# Altium PCB BEAGLEPLAYV020_220915.brd.PcbDoc (part 9 of 12) (continued)
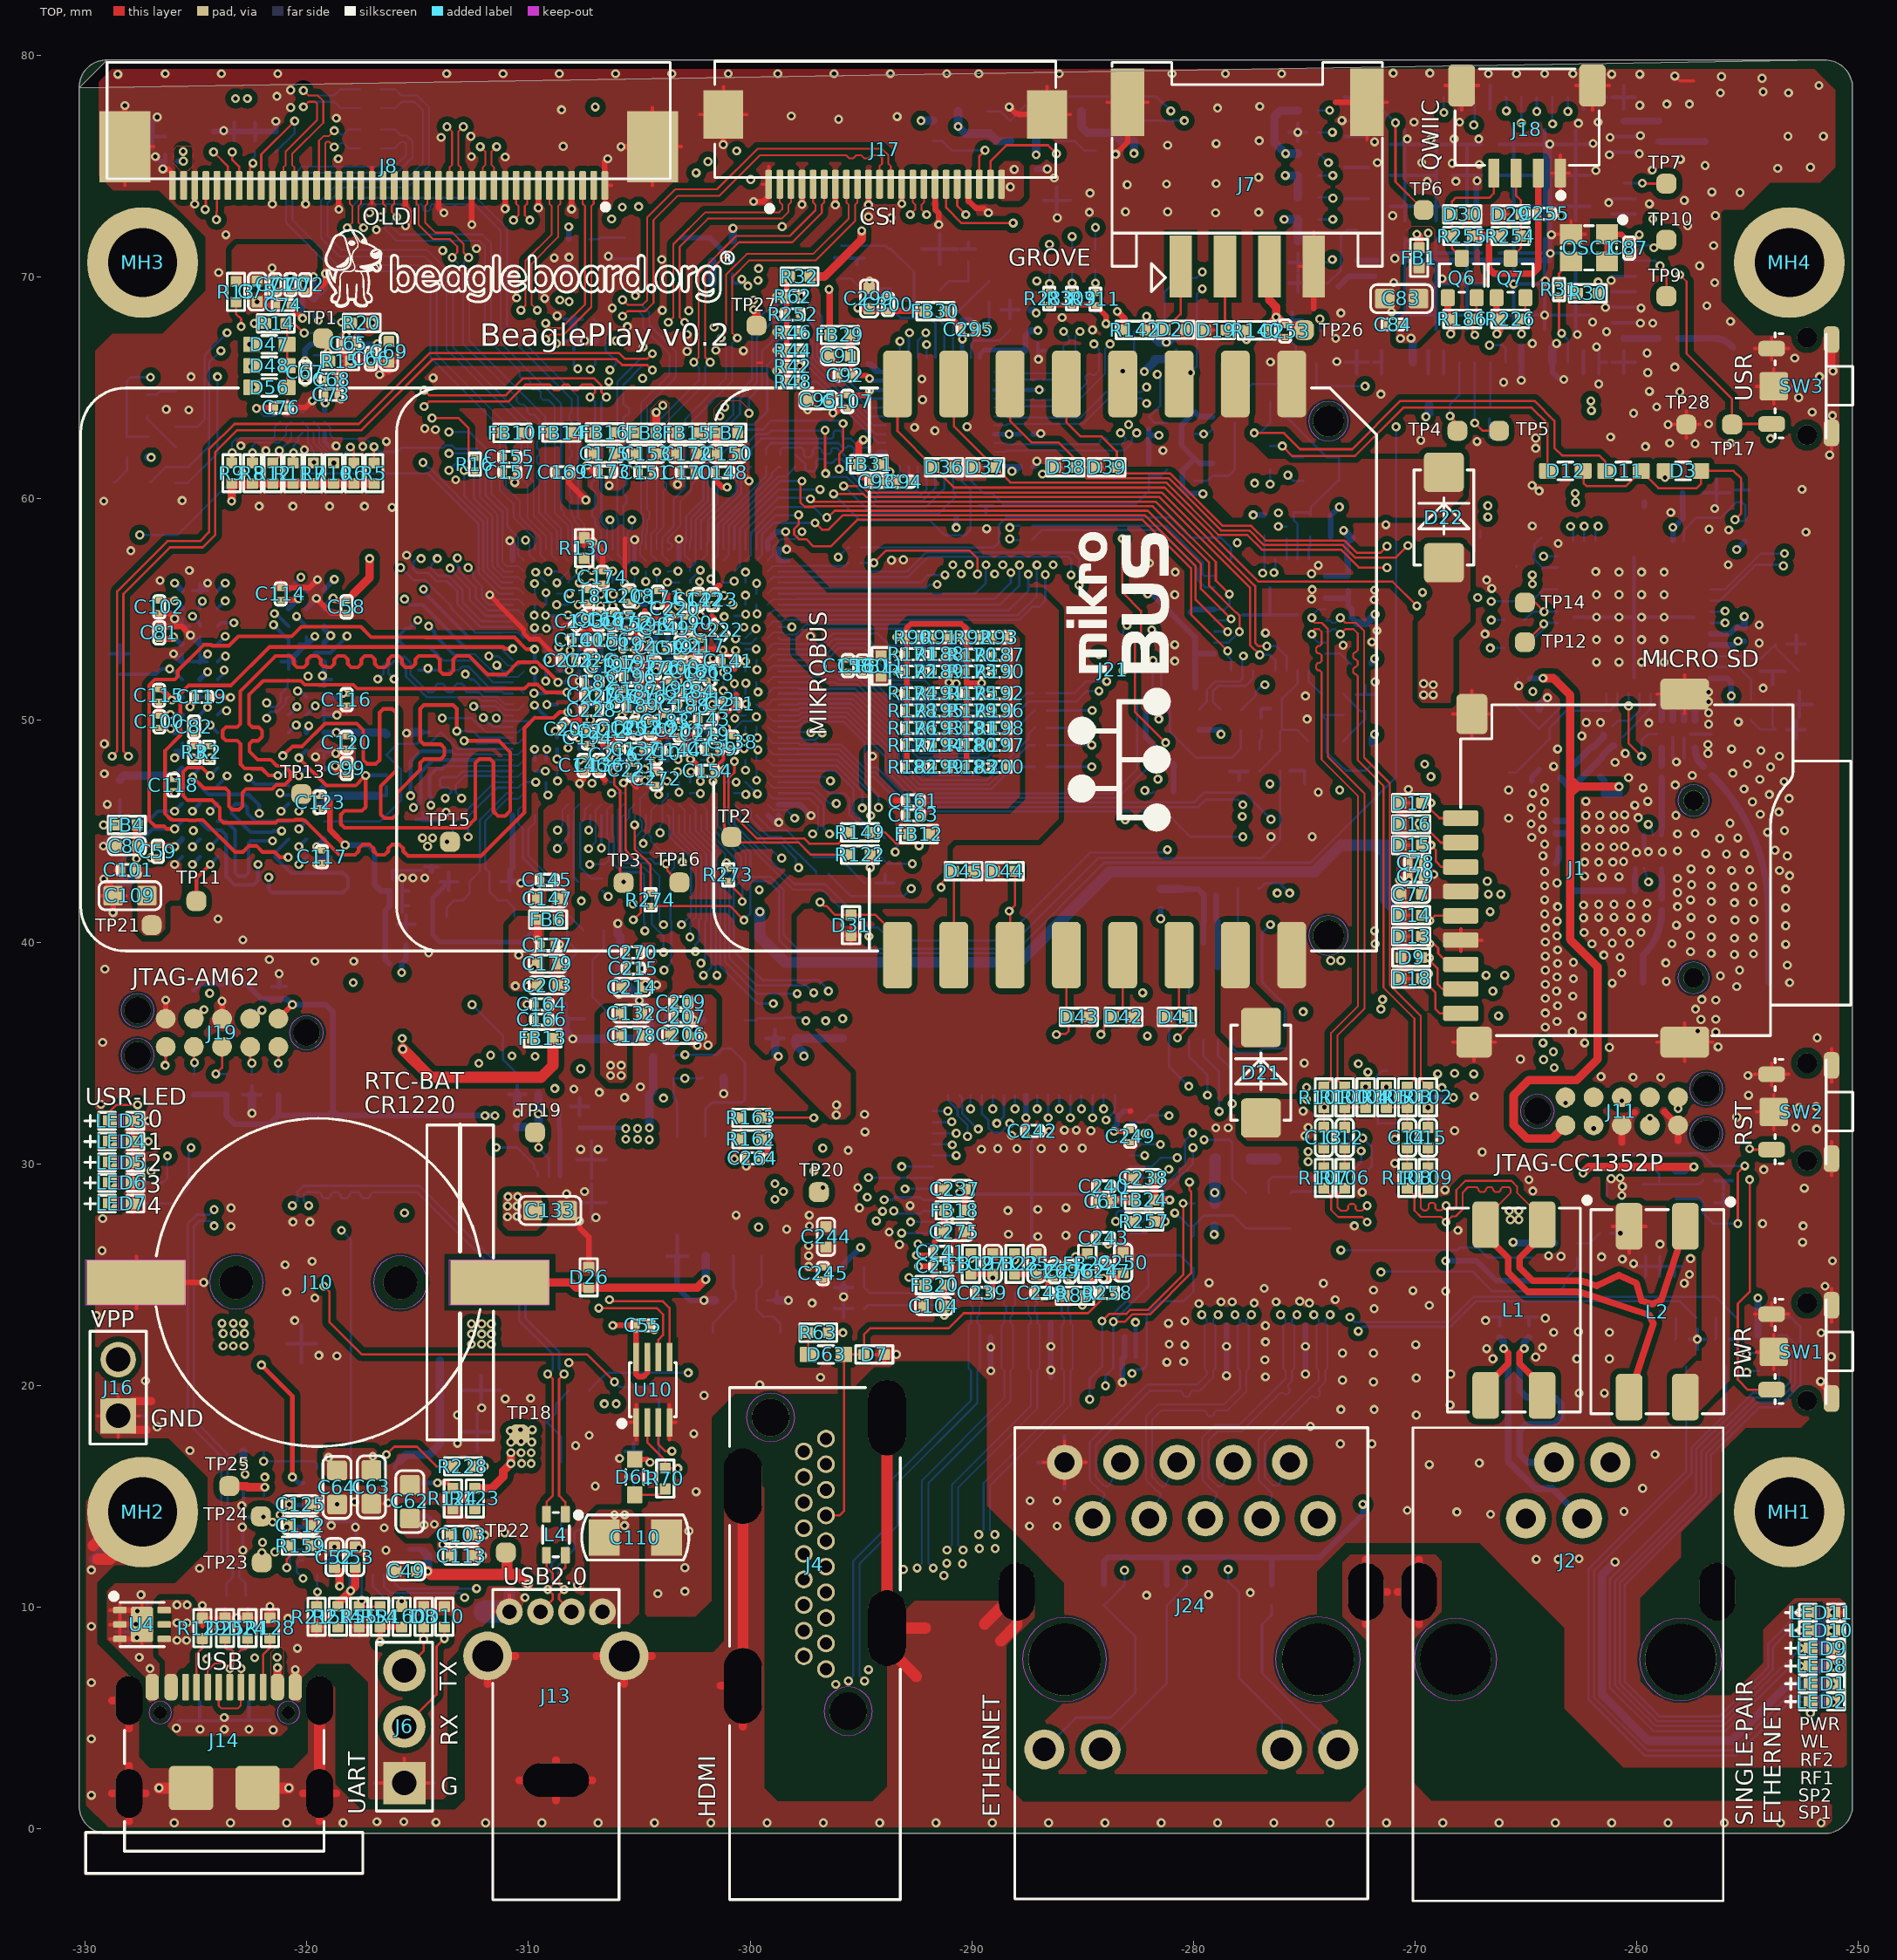
[diagram p0: TOP view]
## Nets (pads, with @x,y where several pads share a name; then routed paths per layer and width w, separated by ;. In a path a pad name is that pad's centre, name@x,y a point inside that pad or via, vN(x,y) a via of type N, cw(c..) or ccw(c..) an arc to the next point about the centre after c; other vN are vias at no path point) (continued)
  LYR3 w0.097: v1(-300.211,47.758) -299.65,47.758 -299.339,47.447 -299.339,43.434 -299.034,43.129 -299.034,37.871 -298.374,37.211 -298.374,30.582 -299.618,29.337 v10(-299.618,27.153) ; v10(-275.993,62.379) -275.331,61.717 -275.331,53.546 -274.066,52.28 -274.066,49.022 -276.047,47.041 -276.047,43.002 -276.885,42.164 -276.885,40.561 -273.248,36.924 -273.248,32.134 -273,31.886 -273,31.141 v10(-272.44,30.582)
  LAY6 w0.097: v3(-322.528,65.963) -322.188,65.963 -322.079,65.854 -317.885,65.854 -317.775,65.964 -314.935,65.964 -311.061,69.837 -302.078,69.837 -299.364,67.123 -299.364,62.332 -298.882,61.849 -295.791,61.849 -294.318,60.376 -281.102,60.376 -279.654,61.824 -276.602,61.824 -276.047,62.379 v10(-275.993,62.379) ; v3(-318.44,27) -300.126,27 -299.974,27.153 v10(-299.618,27.153) -299.131,27.153 -296.388,29.896 -293.679,29.896 -293.311,29.528 -289.605,29.528 -289.353,29.779 -282.958,29.779 -282.007,28.828 -279.841,28.828 -278.976,29.693 -273.329,29.693 v10(-272.44,30.582)
  BOTTOM w0.102: v3(-318.44,27) -318.021,26.582 U17.28@-318.021,16.263 ; v1(-300.211,47.758) U1.F22@-300.211,48.219 ; D35.2@-276.606,28.689 -276.606,29.248 -276.441,29.413 -273.101,29.413 -272.44,30.074 v10(-272.44,30.582) -273,31.141 -273,31.509 D51.2@-273.291,31.8 ; D54.2@-276.546,62.379 v10(-275.993,62.379) -275.485,61.871 D46.2@-275.043,61.871
RGMII1_RD0: R45.2 R46.1 U1.AB17 U6.25 | length 19.5
  LYR3 w0.097: -302.247,59.251 -302.247,60.617
  LYR3 w0.102: v1(-302.247,56.782) -302.247,59.251 ; -302.247,60.617 -302.247,60.99 -300.05,63.187 v1(-300.05,63.856)
  BOTTOM w0.102: U1.AB17@-302.711,56.219 -302.711,56.318 v1(-302.247,56.782) ; v1(-300.05,63.856) -300.05,64.516 -299.466,65.1 -299.466,66.65 -298.958,67.158 -298.139,67.158 R45.2@-297.793,67.503 ; v5(-297.612,67.513) -297.18,67.081 -297.18,66.338 -294.559,63.717 U6.25@-293.893,63.717
RGMII1_RD1: R43.2 R44.1 U1.AC17 U6.24 | length 18.3
  BOTTOM w0.081: U1.AC17@-302.711,56.719 -302.711,56.868 -302.462,57.116 -302.462,58.369
  BOTTOM w0.102: -302.462,58.369 -302.462,59.047 -301.701,59.808 -301.701,61.341 -301.61,61.433 -301.61,62.322 -300.584,63.348 -299.822,63.348 -299.237,63.932 -299.237,66.015 -298.907,66.345 -298.139,66.345 R43.2@-297.793,66.69 v5(-297.673,66.69) -297.383,66.401 -297.383,66.253 -294.447,63.317 U6.24@-293.893,63.317
RGMII1_RD2: R41.2 R42.1 U1.AB16 U6.23 | length 19.3
  LYR3 w0.097: -300.609,63.221 -300.609,64.719 -299.11,66.218 -297.993,66.218 v1(-297.764,65.989)
  LYR3 w0.102: v1(-303.733,56.236) -303.28,56.236 -302.895,56.62 -302.895,60.935 -300.609,63.221
  BOTTOM w0.102: v1(-303.733,56.236) -303.717,56.219 U1.AB16@-303.211,56.219 ; v1(-297.764,65.989) -297.407,65.989 -294.334,62.917 U6.23@-293.893,62.917
RGMII1_RD3: R47.2 R48.1 U1.AA15 U6.22 | length 18.3
  TOP w0.102: R48.1@-297.79,65.278 v1(-297.688,65.278)
  LYR3 w0.097: -302.641,59.251 -302.641,60.905 -300.408,63.138 -300.408,64.133 -299.72,64.821 -298.145,64.821 v1(-297.688,65.278)
  LYR3 w0.102: v1(-303.251,55.753) -302.641,56.363 -302.641,59.251
  BOTTOM w0.102: U1.AA15@-303.711,55.719 -303.284,55.719 v1(-303.251,55.753) ; v1(-297.688,65.278) -296.983,65.278 -294.222,62.517 U6.22@-293.893,62.517
RGMII1_RX_CTL: R249.2 R252.1 U1.AE17 U6.26 | length 19.5
  BOTTOM w0.081: U1.AE17@-302.711,57.719 -302.711,58.121 -302.666,58.166 -302.666,58.395
  BOTTOM w0.102: -302.666,58.395 -302.666,59.131 -301.904,59.893 -301.904,62.374 -300.457,63.822 -300.457,64.491 -299.695,65.253 -299.695,67.285 -299.009,67.97 -298.139,67.97 R249.2@-297.793,68.316 v5(-297.698,68.316) -296.977,67.595 -296.977,66.422 -294.672,64.117 U6.26@-293.893,64.117
RGMII1_RXC: R61.2 R62.1 U1.AD17 U6.27 | length 21.5
  BOTTOM w0.081: -302.886,58.353 -302.886,58.049 -302.96,57.975 -302.96,57.469 U1.AD17@-302.711,57.22
  BOTTOM w0.102: -302.886,58.353 -302.886,59.199 -302.108,59.977 -302.108,62.458 -300.761,63.805 -300.761,64.516 -299.923,65.354 -299.923,67.843 -299.009,68.758 -298.164,68.758 R61.2@-297.793,69.129 v5(-297.673,69.129) -296.774,68.23 -296.774,66.523 -294.768,64.517 U6.27@-293.893,64.517
RGMII1_TD0: R51.1 U1.AE20 | length 4.8
  BOTTOM w0.081: -301.219,58.057 -301.211,58.049 U1.AE20@-301.211,57.719
  BOTTOM w0.102: -301.219,58.057 -301.219,58.811 -299.034,60.995 -299.034,61.138 -298.743,61.429 R51.1@-298.631,61.429
RGMII1_TD1: R52.1 U1.AD20 | length 5.8
  BOTTOM w0.081: U1.AD20@-301.211,57.22 -300.965,57.466 -300.965,57.614 -300.962,57.616 -300.962,57.823 -300.965,57.825 -300.965,58.006
  BOTTOM w0.102: -300.965,58.006 -300.965,58.777 -298.739,61.003 -298.397,61.003 R52.1@-297.971,61.429
RGMII1_TD2: R57.1 U1.AE18 | length 4.1
  BOTTOM w0.102: U1.AE18@-302.211,57.719 -302.211,59.011 -301.471,59.751 -301.471,61.275 -301.317,61.429 R57.1@-301.273,61.429
RGMII1_TD3: R58.1 U1.AD18 | length 4.9
  BOTTOM w0.081: U1.AD18@-302.211,57.22 -301.96,57.471 -301.96,57.976
  BOTTOM w0.102: -301.96,57.976 -301.894,58.042 -301.894,59.041 -300.613,60.322 R58.1@-300.613,61.429
RGMII1_TX_CTL: R50.1 U1.AD19 | length 5.2
  BOTTOM w0.081: U1.AD19@-301.711,57.22 -301.46,57.471 -301.46,57.993
  BOTTOM w0.102: -301.46,57.993 -301.46,58.857 -299.292,61.025 R50.1@-299.292,61.429
RGMII1_TXC: R49.1 U1.AE19 | length 4.5
  BOTTOM w0.081: U1.AE19@-301.711,57.719 -301.711,58.006
  BOTTOM w0.102: -301.711,58.006 -301.711,58.936 -300.409,60.238 -300.409,61.016 -299.997,61.429 R49.1@-299.952,61.429
RMII2_CRS_DV: U1.AE21 U13.18 | length 30.5
  TOP w0.102: v5(-297.663,60.8) -297.739,60.724 -297.739,59.842 -297.536,59.639 -297.134,59.639 -297.109,59.665 -281.838,59.665 -279.298,57.125 -279.298,56.083 -278.083,54.868 -278.058,54.868 -277.93,54.74 v5(-277.93,54)
  BOTTOM w0.102: U1.AE21@-300.711,57.719 -300.711,58.743 -298.654,60.8 v5(-297.663,60.8) ; U13.18@-279.07,53.511 -278.419,53.511 v5(-277.93,54)
RMII2_REF_CLK: R223.2 R231.2 U1.AD23 U13.19 | length 39.9
  TOP w0.102: v5(-297.07,58.91) -296.767,58.607 -296.46,58.607 -295.808,59.258 -282.194,59.258 -279.908,56.972 -279.908,55.448 v3@-278.511,54.051 ; v3(-278.46,54) v3@-278.511,54.051 ; v3@-278.438,54.012 -278.438,54.015 -278.511,54.088 v3@-278.511,54.051
  LAY6 w0.097: v3(-281.889,54.089) -278.549,54.089 v3(-278.46,54)
  BOTTOM w0.081: U1.AD23@-299.711,57.22 -299.462,57.469 -299.462,57.823 -299.47,57.83 -299.47,57.845
  BOTTOM w0.102: -299.47,57.845 -299.47,58.378 -298.938,58.91 v5(-297.07,58.91) ; v3(-281.889,54.089) -281.8,54.089 -281.457,53.746 -281.457,51.156 -281.076,50.775 -281.076,49.505 -279.883,48.311 -278.282,48.311 -277.943,48.65 R231.2@-277.943,48.654 -277.863,48.734 R223.2@-277.863,49.564 ; U13.19@-279.07,54.012 -278.472,54.012 v3(-278.46,54)
RMII2_REF_CLK1: R98.2 R223.1 | length 10.2
  LYR3 w0.097: v1(-276.784,51.613) -276.784,52.68 -276.327,53.137 -276.327,55.448 -277.292,56.413 -277.292,57.607 -276.175,58.724 v1(-276.175,58.751)
  BOTTOM w0.102: R223.1@-277.863,50.489 -277.831,50.489 -277.19,51.13 -277.19,51.308 -276.885,51.613 v1(-276.784,51.613) ; v1(-276.175,58.751) R98.2@-275.797,58.751
RMII2_REF_CLK2: R224.1 R231.1 | length 1
  BOTTOM w0.102: R231.1@-277.018,48.654 -277.018,49.082 -276.944,49.156 R224.1@-276.944,49.584
RMII2_RX_ER: U1.AD22 U13.20 | length 27.4
  TOP w0.102: v5(-296.545,59.157) v5@-296.494,59.157 ; v5@-296.418,59.08 v5@-296.494,59.157 ; v5(-278.308,54.585) -279.679,55.956 -279.679,57.074 -282.067,59.461 -296.189,59.461 v5@-296.494,59.157
  BOTTOM w0.081: U1.AD22@-300.211,57.22 -299.962,57.469 -299.962,58.332
  BOTTOM w0.102: -299.962,58.332 -299.962,58.467 -298.798,59.632 -297.368,59.632 -297.363,59.637 -297.152,59.637 -296.672,59.157 v5(-296.545,59.157) ; U13.20@-279.07,54.512 -278.38,54.512 v5(-278.308,54.585)
RMII2_RXD0: U1.AE23 U13.16 | length 28.9
  TOP w0.102: v5@-297.793,59.281 -297.797,59.276 v5(-297.815,59.276) -297.815,58.836 -298.018,58.633 -298.018,58.395 -297.802,58.179 -297.472,58.179 -297.147,57.854 -296.367,57.854 -295.166,59.055 -282.296,59.055 -280.111,56.871 -280.111,54.788 v5(-278.46,53.137) v5@-278.486,53.137
  BOTTOM w0.102: U1.AE23@-299.711,57.719 -299.711,58.396 -298.849,59.258 -297.833,59.258 v5(-297.815,59.276) ; v5(-278.46,53.137) -278.46,52.908 -278.307,52.755 U13.16@-278.307,52.248
RMII2_RXD1: R114.1 U1.AB20 U13.15 | length 33.9
  LYR3 w0.097: v10(-278.028,58.014) -278.079,57.963 -278.079,56.337 -277.317,55.575 -277.317,53.569 -277.749,53.137 v1(-277.749,52.908)
  LAY6 w0.097: v3(-300.72,56.286) -300.72,56.861 -300.406,57.175 -299.058,57.175 -298.865,56.982 -296.916,56.982 -296.088,57.81 -278.359,57.81 -278.155,58.014 v10(-278.028,58.014)
  BOTTOM w0.102: U1.AB20@-301.211,56.219 -300.787,56.219 v3(-300.72,56.286) ; R114.1@-279.734,50.506 -279.4,50.839 -279.4,51.384 -279.019,51.765 -277.908,51.765 -277.806,51.867 U13.15@-277.806,52.248 -277.806,52.851 v1(-277.749,52.908)
RMII2_TX_EN: R97.2 U1.AA19 | length 16
  LAY6 w0.097: v3(-301.777,56.388) -301.777,56.743 -300.939,57.582 -299.213,57.582 -298.812,57.18 -297.073,57.18 -296.22,58.034 -288.447,58.034 v3(-288.29,58.191)
  BOTTOM w0.102: v3(-301.777,56.388) -301.777,56.21 -301.711,56.144 U1.AA19@-301.711,55.719 ; v3(-288.29,58.191) -288.25,58.191 -288.188,58.129 -287.858,58.129 R97.2@-287.833,58.155
RMII2_TXD0: R96.2 U1.Y18 | length 19.5
  LAY6 w0.097: v3(-302.244,54.743) -302.244,55.709 -302.821,56.286 -302.821,57.35 -302.133,58.039 -299.415,58.039 -299.06,57.683 ; -297.18,57.379 -296.327,58.232 -288.757,58.232 v3(-288.29,58.699)
  LAY6 w0.102: -299.06,57.683 -298.755,57.379 -297.18,57.379
  BOTTOM w0.102: v3(-302.244,54.743) -302.211,54.776 U1.Y18@-302.211,55.22 ; v3(-288.29,58.699) -288.2,58.79 R96.2@-287.833,58.79
RMII2_TXD1: R95.2 U1.AA18 | length 8.2
  LAY6 w0.097: -297.104,56.784 -296.615,56.784 v3(-296.029,57.37)
  LAY6 w0.102: v3(-302.285,56.261) -301.976,55.951 -300.436,55.951 -299.603,56.784 -297.104,56.784
  BOTTOM w0.102: v3(-302.285,56.261) -302.26,56.21 -302.251,56.207 -302.219,56.144 -302.211,56.136 U1.AA18@-302.211,55.719 ; v3(-296.029,57.37) -295.6,57.799 R95.2@-295.552,57.799
RSET: R33.1 U6.39 | length 2.7
  BOTTOM w0.102: U6.39@-290.043,66.367 -290.043,67.005 -289.916,67.132 -288.749,67.132 R33.1@-288.273,67.608
RST_N_N: C236.1 D34.1 D46.1 D53.1 R111.2 U13.31 | length 13.2
  BOTTOM w0.102: D34.1@-278.147,64.389 -277.359,65.176 -276.276,65.176 -275.742,64.643 -275.742,63.627 -273.986,61.871 D46.1@-273.443,61.871 D53.1@-273.443,60.808 -273.507,60.808 -274.724,59.591 R111.2@-274.724,59.255 -274.851,59.382 C236.1@-275.488,59.382 -275.488,59.045 -275.304,58.861 U13.31@-275.304,57.277
RTC_INT: R163.1 U1.J24 | length 26.1
  TOP w0.097: -297.713,32.08 v1(-297.127,32.08)
  TOP w0.102: R163.1@-299.486,32.08 -297.713,32.08
  LYR3 w0.097: v1(-297.127,32.08) -297.127,33.029 -294.805,35.351 -294.805,37.596 -294.01,38.391 -294.01,45.436 -293.855,45.59 -293.855,48.613 -294.334,49.092 -296.895,49.092 -297.104,49.301
  LYR3 w0.102: v1(-297.256,49.454) -297.104,49.301
  BOTTOM w0.081: U1.J24@-299.211,49.719 -298.962,49.471 -297.832,49.471
  BOTTOM w0.102: -297.832,49.471 -297.273,49.471 v1(-297.256,49.454)
RX/TX: B1.5 C18.1 U9.7 | length 5
  TOP w0.102: v5(-260.377,50.652) -260.377,48.973 v5(-259.791,48.387)
  BOTTOM w0.102: v5(-260.377,50.652) U9.7@-260.377,51.205 ; C18.1@-259.807,47.982 -259.807,48.371 v5(-259.791,48.387) -259.791,49.098 -259.503,49.386 B1.5@-259.127,49.386
RX_N: R103.1 U13.6 | length 23.8
  TOP w0.084: v5(-273.379,53.894) -273.154,54.119 -272.787,54.119 -272.593,53.924 -272.593,53.172 -272.677,53.088 -272.712,53.088 -272.796,53.004 -272.796,52.836 -272.712,52.752 -272.677,52.752 -272.593,52.669 -272.593,52.501 -272.677,52.417 -272.712,52.417 -272.796,52.333 -272.796,52.166 -272.712,52.082 -272.677,52.082 -272.593,51.998 -272.593,48.209 -271.432,47.049 -271.432,37.955 -270.035,36.558 -270.035,33.795 R103.1@-270.361,33.468
  BOTTOM w0.084: U13.6@-274.041,54.012 -273.849,54.012 -273.742,54.119 -273.604,54.119 v5(-273.379,53.894)
RX_P: R102.1 U13.5 | length 23.9
  TOP w0.084: v5(-273.379,54.63) -273.154,54.406 -272.668,54.406 -272.306,54.043 -272.306,48.329 -271.145,47.168 -271.145,38.075 -269.748,36.677 -269.748,33.795 R102.1@-269.421,33.468
  BOTTOM w0.084: U13.5@-274.041,54.512 -273.849,54.512 -273.742,54.406 -273.604,54.406 v5(-273.379,54.63)
SD_CD: D18.2 J1.9 R21.2 U1.D17 | length 45.5
  TOP w0.102: v3(-269.392,38.583) -269.62,38.355 D18.2@-269.717,38.355 -269.088,37.725 -269.088,36.982 -268.897,36.791 J1.9@-267.945,36.791
  LAY6 w0.097: v3(-302.669,47.68) -302.669,46.629 -301.861,45.822 -301.193,45.822 -299.771,44.399 -298.628,44.399 -298.183,43.954 -298.183,43.525 -298.221,43.487 -298.221,43.104 -297.663,42.545 -297.663,41.377 -297.231,40.945 -295.783,40.945 -295.224,41.504 -292.643,41.504 -291.195,40.056 -286.36,40.056 -285.877,39.573 -284.973,39.573 -284.876,39.67 -284.876,39.908 -284.78,40.005 -284.587,40.005 -284.49,39.908 -284.49,39.67 -284.394,39.573 -284.201,39.573 -284.104,39.67 -284.104,39.908 -284.008,40.005 -283.815,40.005 -283.718,39.908 -283.718,39.67 -283.621,39.573 -283.428,39.573 -283.332,39.67 -283.332,39.908 -283.235,40.005 -283.042,40.005 -282.946,39.908 -282.946,39.614 -282.778,39.446 -276.428,39.446 -275.585,38.603 -269.413,38.603 v3(-269.392,38.583)
  BOTTOM w0.102: U1.D17@-302.711,47.22 -302.711,47.618 -302.669,47.66 v3(-302.669,47.68) ; R21.2@-269.703,38.378 -269.597,38.378 v3(-269.392,38.583)
SD_CLK: D14.2 J1.5 R75.2 R80.2 | length 31.7
  TOP w0.102: D14.2@-269.717,41.218 -269.59,41.218 v3(-269.342,40.97) -269.121,41.191 J1.5@-267.945,41.191
  LAY6 w0.097: v3(-292.735,42.418) -292.354,42.418 -290.881,40.945 -282.702,40.945 -282.092,40.335 -280.492,40.335 -279.629,41.199 -275.107,41.199 -274.726,41.58 -272.644,41.58 -272.034,40.97 v3(-269.342,40.97)
  BOTTOM w0.102: R80.2@-296.461,43.078 -295.475,42.092 -294.947,42.088 -293.065,42.088 v3(-292.735,42.418) ; R75.2@-269.717,41.218 -269.59,41.218 v3(-269.342,40.97)
SD_CMD: D15.2 J1.3 R78.2 U1.A21 | length 39
  TOP w0.102: D15.2@-269.717,44.377 v3(-269.293,44.377) -269.062,44.147 -269.062,43.637 -268.816,43.391 J1.3@-267.945,43.391
  LAY6 w0.097: v3(-281.178,44.171) -281.153,44.145 -280.137,44.145 -279.756,43.764 -270.764,43.764 -270.151,44.377 v3(-269.293,44.377)
  BOTTOM w0.102: U1.A21@-300.711,45.719 -300.711,45.325 -298.008,42.621 -296.628,42.621 -294.672,40.665 -294.234,40.665 -293.649,40.081 -288.62,40.081 -284.658,44.044 -281.305,44.044 v3(-281.178,44.171) ; R78.2@-269.717,44.377 v3(-269.293,44.377)
SD_D0: D13.2 J1.7 R74.2 U1.A22 | length 38.5
  TOP w0.102: D13.2@-269.717,40.26 -269.673,40.26 v3(-269.342,39.929) -269.164,39.929 -268.961,39.726 -268.961,39.497 -268.455,38.991 J1.7@-267.945,38.991
  LAY6 w0.097: v3(-297.815,43.358) -297.358,42.901 -297.358,41.681 -297.002,41.326 -296.469,41.326 -296.062,41.732 -292.516,41.732 -291.099,40.315 -282.961,40.315 -282.346,39.7 -276.2,39.7 -275.3,38.801 -270.749,38.801 -269.621,39.929 v3(-269.342,39.929)
  BOTTOM w0.102: U1.A22@-300.211,45.719 -300.211,45.44 -299.239,44.468 -298.628,44.468 -297.93,43.77 -297.93,43.473 v3(-297.815,43.358) ; R74.2@-269.717,40.26 -269.673,40.26 v3(-269.342,39.929)
SD_D1: D9.2 J1.8 R73.2 U1.B21 | length 41.7
  TOP w0.102: D9.2@-269.717,39.313 -269.386,39.313 v3(-269.367,39.294) -269.367,39.192 -268.986,38.811 -268.986,38.1 -268.777,37.891 J1.8@-267.945,37.891
  LAY6 w0.097: v3(-298.577,43.79) -298.577,43.028 -298.094,42.545 -298.094,41.224 -297.51,40.64 -295.58,40.64 -294.961,41.258 -292.752,41.258 -291.27,39.776 -286.563,39.776 -285.953,39.167 -276.631,39.167 -275.869,38.405 -270.256,38.405 -269.824,37.973 -269.316,37.973 -268.935,38.354 -268.935,38.786 -269.367,39.218 v3(-269.367,39.294)
  BOTTOM w0.081: U1.B21@-300.711,46.219 -300.46,45.968 -300.46,45.445 -299.186,44.171 -299.034,44.171 -298.653,43.79 v3(-298.577,43.79)
  BOTTOM w0.102: R73.2@-269.717,39.313 -269.386,39.313 v3(-269.367,39.294)
SD_D2: D17.2 J1.1 R77.2 U1.C21 | length 39.3
  TOP w0.102: D17.2@-269.717,46.28 v3(-269.293,46.28) -269.293,45.976 -268.908,45.591 J1.1@-267.945,45.591
  LAY6 w0.097: v3(-300.198,46.665) -299.837,46.304 -297.154,46.304 -295.91,45.06 -294.293,45.06 -294.205,45.147 -291.629,45.147 -290.398,43.917 -285.09,43.917 -284.658,43.485 -281.693,43.485 -281.388,43.18 -270.51,43.18 -270.256,43.434 -269.037,43.434 -268.58,43.891 -268.58,45.567 v3(-269.293,46.28)
  BOTTOM w0.102: U1.C21@-300.711,46.719 -300.252,46.719 v3(-300.198,46.665) ; R77.2@-269.717,46.28 v3(-269.293,46.28)
SD_D3: D16.2 J1.2 R76.2 U1.D22 | length 36.2
  TOP w0.102: v3(-269.824,45.345) D16.2@-269.742,45.345 ; D16.2@-269.717,45.321 D16.2@-269.742,45.345 ; J1.2@-267.945,44.491 -268.85,44.491 -269.703,45.345 D16.2@-269.742,45.345
  LAY6 w0.097: -297.104,46.878 -295.3,46.878 -295.102,46.68 -293.947,46.68 -293.009,45.742 -291.172,45.742 -290.262,44.831 -279.756,44.831 -279.324,44.399 -271.171,44.399 -270.225,45.345 v3(-269.824,45.345)
  LAY6 w0.102: v3(-299.674,46.688) -300.076,47.089 -300.076,47.422 -299.771,47.727 -299.441,47.727 -298.592,46.878 -297.104,46.878
  BOTTOM w0.102: U1.D22@-300.211,47.22 -300.014,47.022 -299.869,46.877 -299.864,46.877 v3(-299.674,46.688) ; v3(-269.824,45.345) -269.742,45.345 R76.2@-269.717,45.321
SD_PWR_EN: D50.2 U1.B14 | length 40.9
  LYR3 w0.097: v10(-275.057,36.863) -274.574,36.38 -274.574,33.934 -274.904,33.604 v1(-274.904,33.452)
  LAY6 w0.097: v3(-303.058,43.61) -302.678,43.231 -301.015,43.231 -299.669,41.885 -299.39,41.885 -299.187,41.681 -299.187,40.284 -298.501,39.599 -293.751,39.599 -293.746,39.594 -293.727,39.594 -292.663,38.529 -287.932,38.529 -287.134,37.732 -282.844,37.732 -282.45,37.338 -275.532,37.338 v10(-275.057,36.863)
  BOTTOM w0.081: U1.B14@-304.211,46.219 -304.462,45.968 -304.462,45.139 -304.546,45.056 -304.546,44.81 -304.462,44.726 -304.462,44.544 -304.009,44.091 -303.907,44.091 -303.885,44.069 -303.479,44.069 -303.098,43.688 -303.098,43.651 v3(-303.058,43.61)
  BOTTOM w0.102: v1(-274.904,33.452) -274.731,33.452 -274.376,33.096 -273.635,33.096 D50.2@-273.304,32.765
SD_VOLT_SEL: R54.2 R55.1 U1.C17 U17.12 | length 51.2
  TOP w0.102: v1(-317.522,10.309) -317.522,10.154 R55.1@-317.64,10.036 R54.2@-316.7,10.036
  LYR3 w0.097: v1(-317.522,10.309) -317.043,9.83 -312.089,9.83 -308.564,13.355 -308.564,17.189 -307.106,18.647 -307.106,20.528 -305.608,22.027 -305.608,24.88 -301.833,28.654 -301.833,31.05 -300.198,32.686 -300.198,40.203 -301.422,41.427 -301.422,44.933 -302.249,45.76 v1(-302.249,46.702)
  BOTTOM w0.102: v1(-317.522,10.309) U17.12@-317.522,11.463 ; U1.C17@-302.711,46.719 -302.266,46.719 v1(-302.249,46.702)
SOC_EMU0: J19.7 R157.2 U1.E12 | length 40.6
  TOP w0.102: J19.7@-325.095,35.281 -325.095,34.595 v3(-325.069,34.569)
  LYR3 w0.097: v1(-304.755,47.802) -304.749,47.797 -304.749,47.75 -304.422,47.423 -304.422,47.013 -304.544,46.89 -304.544,46.175 -302.489,44.12 -302.489,41.91 -303.479,40.919 -303.479,37.541 -303.911,37.109 v10(-303.911,32.969)
  LAY6 w0.097: v3(-325.069,34.569) -325.069,34.138 -323.571,32.639 -304.241,32.639 v10(-303.911,32.969)
  BOTTOM w0.102: R157.2@-325.098,34.047 -325.069,34.076 v3(-325.069,34.569) ; U1.E12@-305.211,47.719 -305.165,47.765 -304.838,47.765 -304.801,47.802 v1(-304.755,47.802)
SOC_EMU1: J19.10 R156.2 U1.C11 | length 26
  TOP w0.102: v3(-321.288,34.54) -321.285,34.544 J19.10@-321.285,35.281
  LYR3 w0.097: v10(-312.239,34.54) -312.239,35.589 -312.039,35.789 -312.039,38.76 -307.721,43.078 -307.721,45.25 v1(-306.252,46.719)
  LAY6 w0.097: v3(-321.288,34.54) -320.657,33.909 -312.87,33.909 v10(-312.239,34.54)
  BOTTOM w0.102: R156.2@-321.288,34.035 v3(-321.288,34.54) ; v1(-306.252,46.719) U1.C11@-305.711,46.719
SOC_TCK: J19.4 R154.2 U1.A10 | length 32
  TOP w0.102: J19.4@-325.095,36.551 -325.044,36.551 v3(-324.637,36.957)
  LYR3 w0.097: v10(-309.702,34.849) -308.839,35.712 -308.839,36.754 -305.32,40.272 -304.99,40.272 v1(-304.749,40.513)
  LAY6 w0.097: v3(-324.637,36.957) -323.037,36.957 -320.345,34.265 -313.309,34.265 -312.268,35.306 -310.159,35.306 v10(-309.702,34.849)
  BOTTOM w0.102: R154.2@-325.091,36.932 -324.663,36.932 v3(-324.637,36.957) ; U1.A10@-306.211,45.719 -306.211,44.82 -306.146,44.755 -306.146,43.51 -305.791,43.155 -304.902,43.155 -304.8,43.053 -304.8,40.907 -304.749,40.856 v1(-304.749,40.513)
SOC_TDI: J19.8 R151.2 U1.A11 | length 33.8
  TOP w0.102: v3(-324.104,34.061) -323.825,34.341 J19.8@-323.825,35.281
  LYR3 w0.097: v10(-308.813,33.401) -308.483,33.731 -308.483,36.779 -305.359,39.903 -304.8,39.903 v1(-303.911,40.792)
  LAY6 w0.097: v3(-324.104,34.061) -323.037,32.995 -309.22,32.995 v10(-308.813,33.401)
  BOTTOM w0.081: U1.A11@-305.711,45.719 -305.791,45.64 -305.791,44.158 -305.77,44.137 -305.77,43.666 -305.665,43.561 -304.653,43.561 -304.104,43.012 -304.104,40.985 v1(-303.911,40.792)
  BOTTOM w0.102: v3(-324.104,34.061) -324.09,34.047 R151.2@-323.625,34.047
SOC_TDO: J19.6 U1.D12 | length 33.5
  TOP w0.102: v3(-326.39,34.442) -326.365,34.468 J19.6@-326.365,35.281 ; v5(-305.714,47.184) -305.613,47.082 -305.613,44.189 -305.612,44.188 -305.612,44.144 -304.931,43.463 -304.931,41.348 v1(-305.27,41.008)
  LYR3 w0.097: v10(-310.744,34.874) -310.503,35.115 -310.503,35.42 -305.359,40.564 -305.359,40.579 -305.27,40.668 v1(-305.27,41.008)
  LAY6 w0.097: v3(-326.39,34.442) -325.907,34.925 -323.977,34.925 -322.428,33.376 -312.242,33.376 v10(-310.744,34.874)
  BOTTOM w0.102: v5(-305.714,47.184) -305.664,47.184 -305.628,47.22 U1.D12@-305.211,47.22
SOC_TMS: J19.2 R155.2 U1.B11 | length 33.6
  TOP w0.102: J19.2@-322.555,36.551 -322.402,36.551 v3(-322.021,36.932)
  LYR3 w0.097: v10(-307.645,34.29) -307.645,37.211 -305.673,39.183 -304.276,39.183 v1(-303.911,39.548)
  LAY6 w0.097: v3(-322.021,36.932) -322.021,36.297 -320.269,34.544 -313.436,34.544 -312.42,35.56 -308.94,35.56 -307.911,34.531 -307.886,34.531 v10(-307.645,34.29)
  BOTTOM w0.081: U1.B11@-305.711,46.219 -305.96,45.97 -305.96,44.543 -305.953,44.536 -305.953,43.59 -305.741,43.378 -304.795,43.378 -304.676,43.26
  BOTTOM w0.102: R155.2@-322.475,36.941 -322.465,36.932 v3(-322.021,36.932) ; -304.676,43.26 -304.444,43.028 -304.444,40.818 -303.911,40.284 v1(-303.911,39.548)
SOC_TRST#: J19.9 R158.1 U1.B10 | length 27.2
  TOP w0.102: J19.9@-322.555,35.281 -322.555,34.62 v3(-322.478,34.544)
  LYR3 w0.097: v10(-311.709,34.9) -311.709,38.699 -307.238,43.17 v1(-307.238,43.51)
  LAY6 w0.097: v3(-322.478,34.544) -321.589,33.655 -312.598,33.655 -311.709,34.544 v10(-311.709,34.9)
  BOTTOM w0.081: -306.568,43.51 -306.375,43.703 -306.375,44.653 -306.46,44.739 -306.46,45.97 U1.B10@-306.211,46.219
  BOTTOM w0.102: v3(-322.478,34.544) -322.478,34.051 R158.1@-322.475,34.047 ; v1(-307.238,43.51) -306.568,43.51
SPE_INTN: R110.2 U1.AE22 U13.21 | length 28
  TOP w0.102: v5(-297.282,59.995) -297.155,59.868 -281.711,59.868 -278.994,57.15 -278.994,56.312 v5(-278.382,55.7)
  BOTTOM w0.102: U1.AE22@-300.211,57.719 -300.211,58.574 -298.747,60.038 -297.325,60.038 v5(-297.282,59.995) ; U13.21@-279.07,55.013 -278.591,55.013 -278.382,55.222 v5(-278.382,55.7)
  BOTTOM w0.254: R110.2@-280.14,54.886 -280.013,55.013 U13.21@-279.07,55.013
SPE_RSTN: D53.2 U1.AC21 | length 29.5
  LAY6 w0.097: v3(-296.85,60.419) -296.73,60.419 -296.215,60.935 -295.3,60.935 -294.437,60.071 -280.924,60.071 -279.648,61.347 -276.028,61.347 v3(-275.742,61.062)
  BOTTOM w0.081: U1.AC21@-300.711,56.719 -300.462,56.968 -300.462,57.986
  BOTTOM w0.102: -300.462,57.986 -300.462,58.661 -299.839,59.284 -299.839,59.292 -298.712,60.419 v3(-296.85,60.419) ; v3(-275.742,61.062) -275.488,60.808 D53.2@-275.043,60.808
SPE_RX_D2: R115.1 U13.14 | length 3.4
  BOTTOM w0.102: R115.1@-278.794,50.505 -279.121,50.831 -279.121,51.333 -278.892,51.562 -277.647,51.562 -277.306,51.904 U13.14@-277.306,52.248
SPE_TX_D0: R96.1 U13.24 | length 9.5
  BOTTOM w0.102: R96.1@-287.274,58.79 -281.243,58.79 -279.603,57.15 -279.603,56.616 -279.501,56.514 U13.24@-279.07,56.514
SPE_TX_D1: R95.1 U13.25 | length 18.8
  BOTTOM w0.102: R95.1@-294.994,57.799 -289.012,57.799 -288.773,58.039 -288.773,58.826 -288.442,59.157 -281.051,59.157 -280.137,58.242 -278.765,58.242 -278.307,57.784 U13.25@-278.307,57.277
SPE_TX_EN: R97.1 U13.23 | length 9.7
  BOTTOM w0.102: R97.1@-287.274,58.155 -286.842,58.587 -281.573,58.587 -279.806,56.82 -279.806,56.337 -279.483,56.013 U13.23@-279.07,56.013
SPI2_CLK: D43.2 J21.12 U1.A20 | length 27.2
  TOP w0.102: v3(-286.182,35.838) -286.155,35.865 -285.758,35.865 -285.634,35.989 D43.2@-285.634,36.627 -285.735,36.728 J21.12@-285.735,39.419
  LAY6 w0.097: v3(-296.469,37.795) -294.724,37.795 -293.358,36.429 -288.574,36.429 -287.985,35.839 v3(-286.182,35.838) v3(-286.182,35.838)
  BOTTOM w0.102: U1.A20@-301.211,45.719 -301.211,45.273 -299.999,44.061 -299.999,43.205 -300.736,42.469 -300.736,39.599 -299.415,38.278 -296.901,38.278 -296.469,37.846 v3(-296.469,37.795)
SPI2_CS0: D44.2 J21.11 U1.E19 | length 20.2
  TOP w0.102: J21.11@-288.275,39.419 -288.275,41.361 v3(-288.315,41.402) -288.056,41.661 D44.2@-288.056,43.205
  LAY6 w0.097: -297.349,44.061 -296.112,42.824 -292.25,42.824 -291.006,41.58 -288.493,41.58 v3(-288.315,41.402)
  LAY6 w0.102: v3(-301.673,47.261) -299.169,44.757 -298.045,44.757 -297.548,44.26 -297.349,44.061
  BOTTOM w0.102: U1.E19@-301.711,47.719 -301.711,47.299 v3(-301.673,47.261)
SPI2_D0: D42.2 J21.13 U1.B19 | length 30.4
  TOP w0.102: v3(-284.175,35.839) -284.048,35.966 -284.048,36.195 D42.2@-283.616,36.627 -283.195,37.049 J21.13@-283.195,39.419
  LAY6 w0.097: v3(-297.129,37.719) -296.824,37.414 -294.767,37.414 -293.482,36.129 -288.698,36.129 -288.002,35.433 -284.582,35.433 v3(-284.175,35.839)
  BOTTOM w0.081: U1.B19@-301.711,46.219 -301.46,45.968 -301.46,45.242 -300.203,43.985 -300.203,43.401
  BOTTOM w0.102: -300.203,43.401 -300.203,43.332 -300.939,42.596 -300.939,39.268 -299.72,38.049 -297.485,38.049 -297.155,37.719 v3(-297.129,37.719)
SPI2_D1: D41.2 J21.14 U1.A19 | length 33.7
  TOP w0.102: v3(-280.728,35.687) -280.279,36.136 D41.2@-280.279,36.627 -280.655,37.002 J21.14@-280.655,39.419
  LAY6 w0.097: v3(-297.88,37.679) -297.412,37.211 -294.945,37.211 -293.665,35.931 -288.781,35.931 -288.075,35.225 -281.19,35.225 v3(-280.728,35.687)
  BOTTOM w0.102: U1.A19@-301.711,45.719 -301.711,45.138 -300.406,43.833 -300.406,43.434 -301.142,42.697 -301.142,39.116 -299.706,37.679 v3(-297.88,37.679)
TP_INT_1V8: J8.35 R243.1 U1.K25 | length 86.7
  TOP w0.102: v3(-324.206,75.641) -323.556,74.992 J8.35@-323.556,74.131
  LYR3 w0.097: v10(-302.438,74.701) -300.507,74.701 -300.101,75.108 -290.424,75.108 -288.498,73.182 -288.498,70.618 -286.334,68.454 -286.334,62.159 -285.725,61.549 -285.725,60.151 -282.763,57.19 -282.763,55.486 -282.255,54.978 -282.255,53.858 -281.831,53.434 v1(-281.831,52.705)
  LAY6 w0.097: v3(-324.206,75.641) -323.317,76.53 -321.53,76.53 -319.46,74.461 -302.679,74.461 v10(-302.438,74.701)
  BOTTOM w0.102: U1.K25@-298.711,50.219 -297.827,50.219 -297.688,50.359 -295.618,50.359 -293.692,48.432 -293.692,47.867 -292.535,46.711 -283.642,46.711 -282.55,47.803 -282.55,50.724 -281.831,51.443 v1(-281.831,52.705)
TX_N: R101.1 U13.7 | length 23.9
  TOP w0.084: v5(-274.662,53.894) -274.662,53.995 -274.539,54.119 -274.336,54.119 -274.226,54.008 -274.226,53.442 -274.31,53.358 -274.389,53.358 -274.472,53.274 -274.472,53.107 -274.389,53.023 -274.31,53.023 -274.226,52.939 -274.226,52.679 -274.31,52.595 -274.389,52.595 -274.472,52.511 -274.472,52.344 -274.389,52.26 -274.31,52.26 -274.226,52.176 -274.226,48.242 -272.575,46.591 -272.575,37.127 -273.797,35.905 -273.797,34.046 ; R101.1@-274.12,33.465 -273.796,33.792 -273.796,34.045
  BOTTOM w0.084: v5(-274.662,53.894) -274.662,53.792 -274.382,53.511 U13.7@-274.041,53.511
TX_P: R100.1 U13.4 | length 23.8
  TOP w0.084: v5(-274.662,54.63) -274.662,54.529 -274.539,54.406 -274.217,54.406 -273.939,54.127 -273.939,48.362 -272.288,46.711 -272.288,37.008 -273.509,35.786 -273.509,34.173 -273.509,33.794 R100.1@-273.181,33.468
  BOTTOM w0.084: v5(-274.662,54.63) -274.662,54.732 -274.382,55.013 U13.4@-274.041,55.013
TXC: R49.2 U6.20 | length 9.9
  BOTTOM w0.102: R49.2@-299.952,61.988 -299.952,62.252 -299.491,62.713 -296.316,62.713 -296.24,62.789 -296.24,62.992 -296.168,63.064 -295.931,63.064 -295.859,62.992 -295.859,62.814 -295.758,62.713 -295.453,62.713 -295.046,62.306 -294.665,62.306 -294.564,62.205 -294.564,61.951 -294.665,61.849 -294.792,61.849 -294.86,61.781 -294.86,61.637 -294.005,60.782 -293.395,60.782 -293.243,60.935 U6.20@-293.243,61.467